# KiCad board data-center-rdimm-ddr4-tester.kicad_pcb (continued)
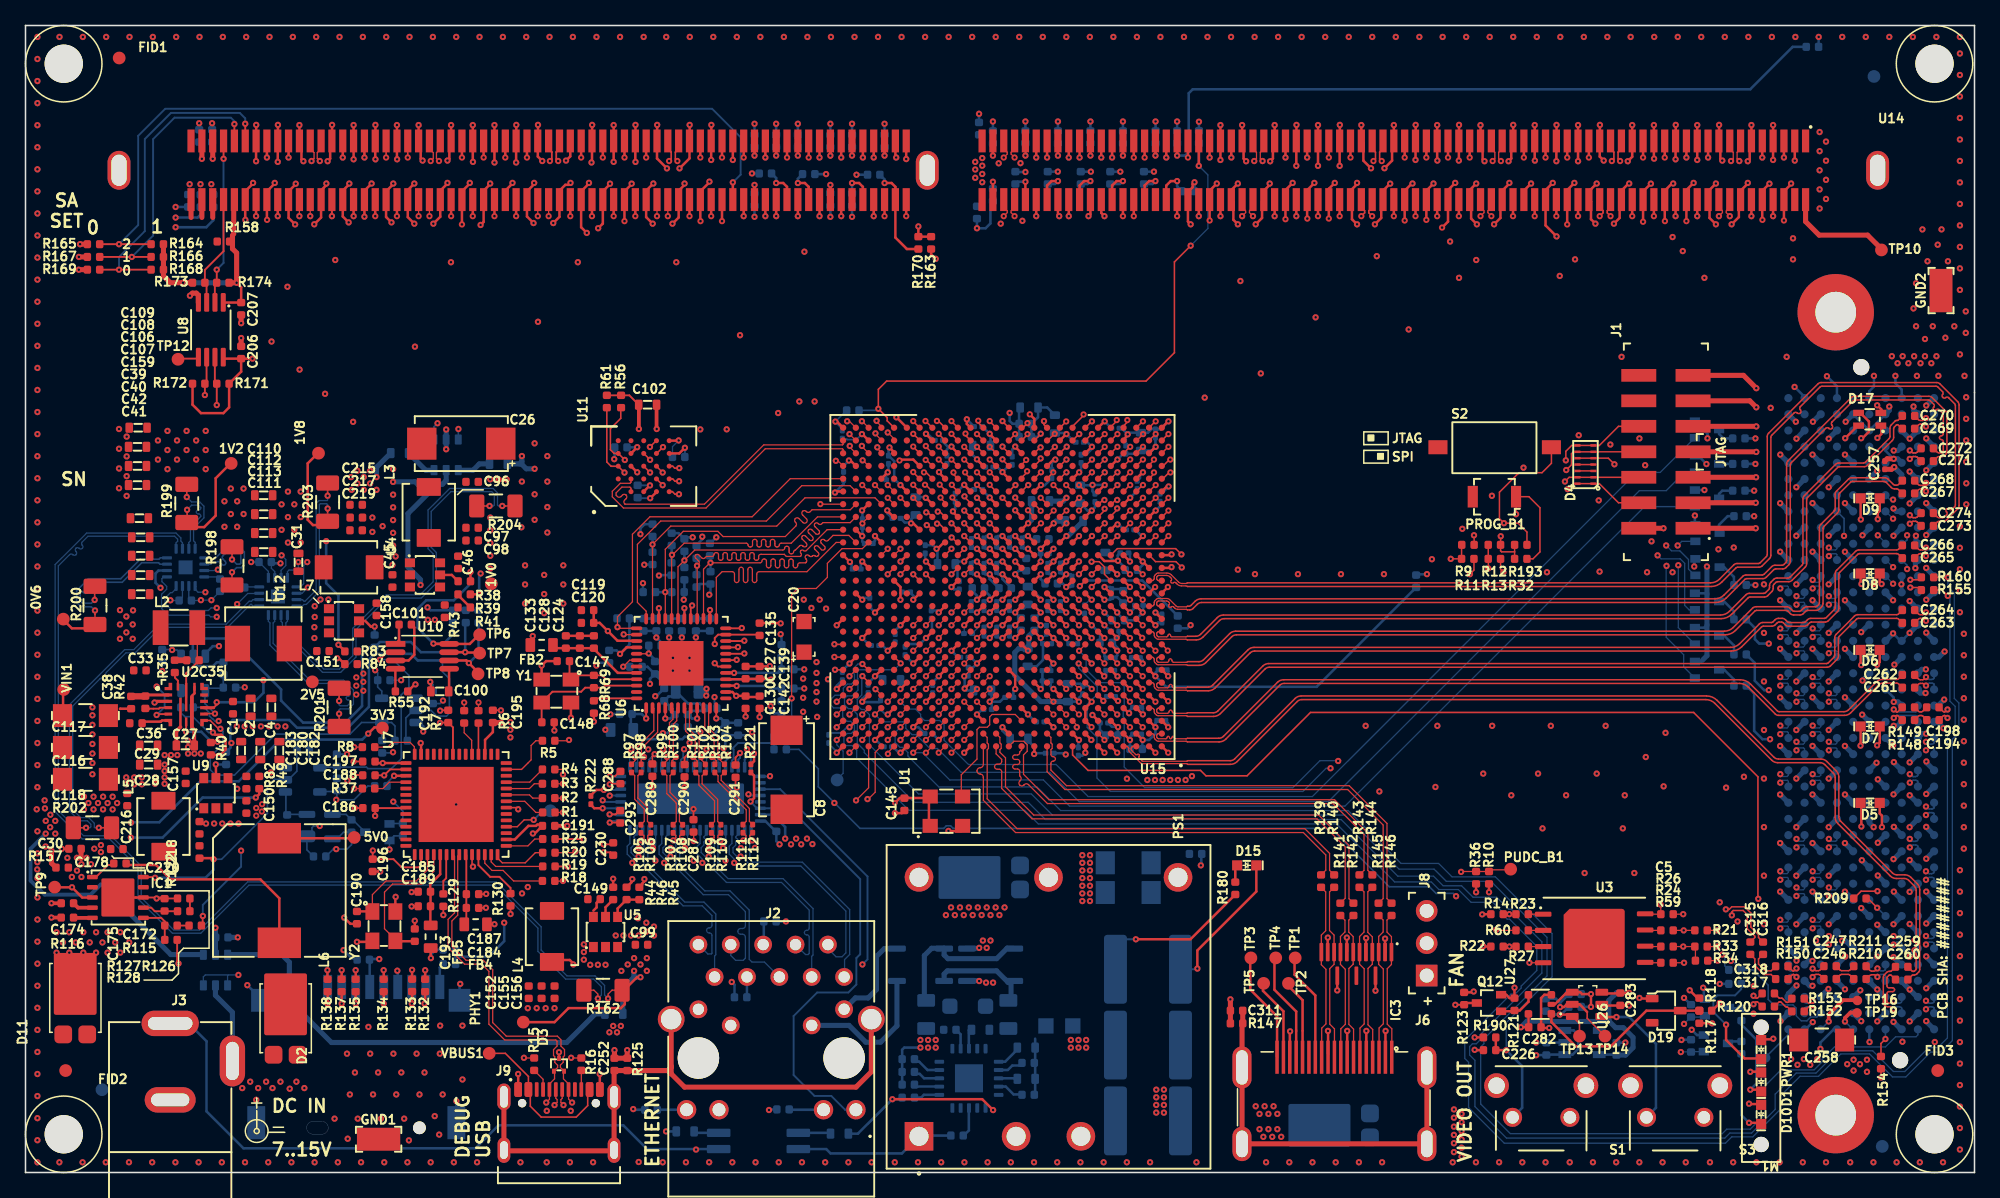
[diagram p0: board, top side]
## Nets (continued)
VIN_POE: C227.1 C228.1 C229.1 D16.A PS1.4 R118.1
VIN_RAW: D11.A IC2.1 J3.1 R117.1
12P0V: C257.1 C258.1 D18.A J5.C35 J5.C37
/Ethernet/AMPS_CTL: R156.2 U13.8
/Ethernet/CLSA: R85.2 U13.3
/Ethernet/CLSB: R176.2 U13.6
/Ethernet/DEN: R175.1 U13.2
/Ethernet/ETH1_BP_N: R98.1 R106.2
/Ethernet/ETH1_BP_P: R97.2 R105.1
/Ethernet/ETH1_N: R98.2 U6.3 U16.3
/Ethernet/ETH1_P: R97.1 U6.2 U16.2
/Ethernet/ETH2_BP_N: R100.1 R108.2
/Ethernet/ETH2_BP_P: R99.2 R107.1
/Ethernet/ETH2_N: R100.2 U6.6 U16.8
/Ethernet/ETH2_P: R99.1 U6.5 U16.7
/Ethernet/ETH3_BP_N: R102.1 R110.2
/Ethernet/ETH3_BP_P: R101.2 R109.1
/Ethernet/ETH3_N: R102.2 U6.8 U16.12
/Ethernet/ETH3_P: R101.1 U6.7 U16.11
/Ethernet/ETH4_BP_N: R104.1 R112.2
/Ethernet/ETH4_BP_P: R103.2 R111.1
/Ethernet/ETH4_N: R104.2 U6.11 U16.15
/Ethernet/ETH4_P: R103.1 U6.10 U16.14
/Ethernet/INT_ETH1_N: J2.2 R106.1 U16.45
/Ethernet/INT_ETH1_P: J2.1 R105.2 U16.46
/Ethernet/INT_ETH2_N: J2.6 R108.1 U16.40
/Ethernet/INT_ETH2_P: J2.3 R107.2 U16.41
/Ethernet/INT_ETH3_N: J2.8 R110.1 U16.34
/Ethernet/INT_ETH3_P: J2.7 R109.2 U16.35
/Ethernet/INT_ETH4_N: J2.10 R112.1 U16.29
/Ethernet/INT_ETH4_P: J2.9 R111.2 U16.30
/Ethernet/IRSHDL_EN: R179.2 U13.16
/Ethernet/MPS_DUTY: R161.2 U13.9
/Ethernet/PAIR_12: D12.4 J2.11
/Ethernet/PAIR_36: D12.3 J2.12
/Ethernet/PAIR_78: D13.3 J2.13
/Ethernet/PAIR_910: D13.4 J2.14
/Ethernet/PG: R178.1 U13.13
/Ethernet/POE_ACTIVE: IC2.4 PS1.1 R178.2
/Ethernet/REF: R159.2 U13.7
/Ethernet/TPH: R177.1 U13.18
/Ethernet/TPL: R181.1 U13.17
/FMC HPC/GTR_REFCLK0_R_N: J5.D5 R211.1
/FMC HPC/GTR_REFCLK0_R_P: J5.D4 R210.1
/FMC HPC/GTR_REFCLK1_R_N: J5.B21 R149.1
/FMC HPC/GTR_REFCLK1_R_P: J5.B20 R148.1
/FMC HPC/GTR_REFCLK2_R_N: J5.K5 R151.1
/FMC HPC/GTR_REFCLK2_R_P: J5.K4 R150.1
/FMC HPC/GTR_REFCLK3_R_N: J5.J3 R153.1
/FMC HPC/GTR_REFCLK3_R_P: J5.J2 R152.1
/FMC HPC/GTX_TX0_C_N: C260.1 J5.C3
/FMC HPC/GTX_TX0_C_P: C259.1 J5.C2
/FMC HPC/GTX_TX1_C_N: C262.1 J5.A23
/FMC HPC/GTX_TX1_C_P: C261.1 J5.A22
/FMC HPC/GTX_TX2_C_N: C264.1 J5.A27
/FMC HPC/GTX_TX2_C_P: C263.1 J5.A26
/FMC HPC/GTX_TX3_C_N: C266.1 J5.A31
/FMC HPC/GTX_TX3_C_P: C265.1 J5.A30
/FMC HPC/GTX_TX4_C_N: C268.1 J5.A35
/FMC HPC/GTX_TX4_C_P: C267.1 J5.A34
/FMC HPC/GTX_TX5_C_N: C270.1 J5.A39
/FMC HPC/GTX_TX5_C_P: C269.1 J5.A38
/FMC HPC/GTX_TX6_C_N: C272.2 J5.B37
/FMC HPC/GTX_TX6_C_P: C271.1 J5.B36
/FMC HPC/GTX_TX7_C_N: C274.1 J5.B33
/FMC HPC/GTX_TX7_C_P: C273.1 J5.B32
/FPGA banks 115-116/GTR_REFCLK0_N: C247.2 U15.H5
/FPGA banks 115-116/GTR_REFCLK0_P: C246.2 U15.H6
/FPGA banks 115-116/GTR_REFCLK1_N: C198.2 U15.K5
/FPGA banks 115-116/GTR_REFCLK1_P: C194.2 U15.K6
/FPGA banks 115-116/GTR_REFCLK2_N: C316.1 U15.D5
/FPGA banks 115-116/GTR_REFCLK2_P: C315.1 U15.D6
/FPGA banks 115-116/GTR_REFCLK3_N: C318.1 U15.F5
/FPGA banks 115-116/GTR_REFCLK3_P: C317.1 U15.F6
/Supply/FPGA_PWR_DIS: R212.2 U18.2 U21.1
/Supply/OUT: R218.2 R220.2 U26.4 U27.2
/Supply/PWR_SEQ_EN: R191.2 R213.1 U10.2 U21.4
/Supply/SLP_S4: R197.2 R216.1 U2.11 U23.4
/Supply/SYS_EN: IC1.3 Q12.3 R123.1 TP9.1
/Supply/SYS_PWR_GOOD: IC1.10 R122.2 R191.1 U21.2
/Supply/VPP_SEN_+: NT1.1 U19.13
/Supply/VPP_SEN_-: NT5.1 U19.14
/Supply/VTT_CNTL: R196.2 R217.1 U2.10 U22.4
/Supply/VTT_SEN_+: NT3.1 U19.8
/Supply/VTT_SEN_-: NT6.1 U19.7
/Supply/VTTREF: C36.1 U2.6
/Supply/~{CLR}: R219.2 R220.1 TP13.1 U26.6
/Supply/~{INT}: R218.1 R219.1 TP14.1 U26.5
A0: U14.79 U15.AF10
A1: U14.72 U15.AC11
A2: U14.216 U15.AD11
A3: U14.71 U15.AD10
A4: U14.214 U15.AC9
A5: U14.213 U15.AD9
A6: U14.69 U15.AB9
A7: U14.211 U15.AF7
A8: U14.68 U15.AE8
A9: U14.66 U15.AE7
A10\AP: U14.225 U15.Y12
A11: U14.210 U15.AB7
A12\~{BC}: U14.65 U15.AC7
A13: U14.232 U15.AD13
A17: U14.234 U15.AC13
AUX_JTAG_RST: J5.D34 R5.2 U15.G25
AUX_JTAG_TCK: J5.D29 R1.2 U15.C24
AUX_JTAG_TDI: J5.D30 R2.2 U15.D24
AUX_JTAG_TDO: J5.D31 R3.2 U15.C26
AUX_JTAG_TMS: J5.D33 R4.2 U15.D25
BA0: U14.81 U15.AB11
BA1: U14.224 U15.AB10
BG0: U14.63 U15.AA9
BG1: U14.207 U15.AF9
C_TMDS_CLK_N: IC3.12 J6.12 R139.2
C_TMDS_CLK_P: IC3.10 J6.10 R140.2
C_TMDS_D0_N: IC3.9 J6.9 R141.2
C_TMDS_D0_P: IC3.7 J6.7 R142.2
C_TMDS_D1_N: IC3.6 J6.6 R143.2
C_TMDS_D1_P: IC3.4 J6.4 R144.2
C_TMDS_D2_N: IC3.3 J6.3 R145.2
C_TMDS_D2_P: IC3.1 J6.1 R146.2
CB0: U14.49 U15.T18
CB1: U14.194 U15.U17
CB2: U14.56 U15.R22
CB3: U14.201 U15.T23
CB4: U14.47 U15.T17
CB5: U14.192 U15.U16
CB6: U14.54 U15.R21
CB7: U14.199 U15.T22
CCLK: R24.2 R33.2 R34.1 U15.C8
CFGBVS: R58.2 U15.P7
CK0_N: U14.75 U15.AF12
CK0_P: U14.74 U15.AE12
CK1_N: U14.219 U15.AC12
CK1_P: U14.218 U15.AB12
CKE0: U14.60 U15.AA8
CKE1\NC: U14.203 U15.AA7
CLK_DIR: J5.B1 U15.F24
DBG_USB_N: D3.1 J9.A7 J9.B7 U7.7
DBG_USB_P: D3.2 J9.A6 J9.B6 U7.8
DDR_PRESENCE: R185.2 R186.1 U14.57 U15.AF22
DONE: Q7.1 R57.2 U15.J7
DQ0: U14.5 U15.U5
DQ1: U14.150 U15.V6
DQ2: U14.12 U15.AB6
DQ3: U14.157 U15.AC6
DQ4: U14.3 U15.U7
DQ5: U14.148 U15.U6
DQ6: U14.10 U15.AA5
DQ7: U14.155 U15.AB5
DQ8: U14.16 U15.U2
DQ9: U14.161 U15.Y3
DQ10: U14.23 U15.AC3
DQ11: U14.168 U15.AC4
DQ12: U14.14 U15.W4
DQ13: U14.159 U15.V4
DQ14: U14.21 U15.AA4
DQ15: U14.166 U15.AB4
DQ16: U14.27 U15.V1
DQ17: U14.172 U15.Y2
DQ18: U14.34 U15.AC2
DQ19: U14.179 U15.AE1
DQ20: U14.25 U15.U1
DQ21: U14.170 U15.V2
DQ22: U14.32 U15.AB2
DQ23: U14.177 U15.AD1
DQ24: U14.38 U15.AE3
DQ25: U14.183 U15.AF3
DQ26: U14.45 U15.AD5
DQ27: U14.190 U15.AD6
DQ28: U14.36 U15.AE2
DQ29: U14.181 U15.AF2
DQ30: U14.43 U15.AE5
DQ31: U14.188 U15.AE6
DQ32: U14.97 U15.AF15
DQ33: U14.242 U15.AE16
DQ34: U14.104 U15.AF19
DQ35: U14.249 U15.AF20
DQ36: U14.95 U15.AF14
DQ37: U14.240 U15.AD14
DQ38: U14.102 U15.AF18
DQ39: U14.247 U15.AE18
DQ40: U14.108 U15.AB14
DQ41: U14.253 U15.AD19
DQ42: U14.115 U15.AC16
DQ43: U14.260 U15.AB15
DQ44: U14.106 U15.AC14
DQ45: U14.251 U15.AD16
DQ46: U14.113 U15.AC19
DQ47: U14.258 U15.AC17
DQ48: U14.119 U15.AA15
DQ49: U14.264 U15.AB17
DQ50: U14.126 U15.AA19
DQ51: U14.271 U15.AA20
DQ52: U14.117 U15.AA14
DQ53: U14.262 U15.AB16
DQ54: U14.124 U15.AB19
DQ55: U14.269 U15.AB20
DQ56: U14.130 U15.V14
DQ57: U14.275 U15.Y16
DQ58: U14.137 U15.W19
DQ59: U14.282 U15.V19
DQ60: U14.128 U15.W14
DQ61: U14.273 U15.Y15
DQ62: U14.135 U15.W18
DQ63: U14.280 U15.V18
DQS0_N: U14.152 U15.Y5
DQS0_P: U14.153 U15.Y6
DQS1_N: U14.163 U15.AA2
DQS1_P: U14.164 U15.AA3
DQS2_N: U14.174 U15.AC1
DQS2_P: U14.175 U15.AB1
DQS3_N: U14.185 U15.AF4
DQS3_P: U14.186 U15.AF5
DQS4_N: U14.244 U15.AF17
DQS4_P: U14.245 U15.AE17
DQS5_N: U14.255 U15.AD18
DQS5_P: U14.256 U15.AC18
DQS6_N: U14.266 U15.Y18
DQS6_P: U14.267 U15.Y17
DQS7_N: U14.277 U15.V17
DQS7_P: U14.278 U15.V16
DQS8_N: U14.196 U15.P20
DQS8_P: U14.197 U15.P19
DQS9_N: U14.8 U15.W5
DQS9_P: U14.7 U15.W6
DQS10_N: U14.19 U15.W3
DQS10_P: U14.18 U15.V3
DQS11_N: U14.30 U15.Y1
DQS11_P: U14.29 U15.W1
DQS12_N: U14.41 U15.AD3
DQS12_P: U14.40 U15.AD4
DQS13_N: U14.100 U15.AE15
DQS13_P: U14.99 U15.AD15
DQS14_N: U14.111 U15.AE20
DQS14_P: U14.110 U15.AD20
DQS15_N: U14.122 U15.AA18
DQS15_P: U14.121 U15.AA17
DQS16_N: U14.133 U15.W16
DQS16_P: U14.132 U15.W15
DQS17_N: U14.52 U15.R17
DQS17_P: U14.51 U15.R16
EMCCLK: EMCCLK1.1 U15.B26
ETH_INT_N: U6.38 U15.Y20
ETH_MDC: U6.36 U15.AA25
ETH_MDIO: R78.1 U6.37 U15.AB26
ETH_REF_CLK: R76.1 R94.1 U6.41 U15.AA23
ETH_RSTN: R79.1 U6.42 U15.AA22
ETH_RX_CLK: R75.1 R93.1 U6.35 U15.Y23
ETH_RX_DV: R74.1 R92.1 U6.33 U15.Y25
ETH_RXD0: R70.1 R77.1 U6.32 U15.W26
ETH_RXD1: R71.1 R89.1 U6.31 U15.W25
ETH_RXD2: R72.1 R90.1 U6.28 U15.V26
ETH_RXD3: R73.1 R91.1 U6.27 U15.U25
ETH_SEL: R206.1 U15.U24
ETH_TX_CLK: U6.24 U15.AA24
ETH_TX_EN: U6.25 U15.U26
ETH_TXD0: U6.19 U15.W24
ETH_TXD1: U6.20 U15.Y26
ETH_TXD2: U6.21 U15.Y22
ETH_TXD3: U6.22 U15.Y21
EXT_ETH1_N: J5.H8 U16.47
EXT_ETH1_P: J5.H7 U16.48
EXT_ETH2_N: J5.G10 U16.42
EXT_ETH2_P: J5.G9 U16.43
EXT_ETH3_N: J5.H11 U16.36
EXT_ETH3_P: J5.H10 U16.37
EXT_ETH4_N: J5.G13 U16.31
EXT_ETH4_P: J5.G12 U16.32
EXT_LED_LINK: J5.G6 U16.23
EXT_LED_SPD: J5.G7 U16.52
FCS_B: R14.2 R23.2 U15.C23
FMC_IO_0: J5.G33 U15.K15
FMC_IO_1_N: J5.G22 U15.B16
FMC_IO_1_P: J5.G21 U15.C16
FMC_IO_2_N: J5.G19 U15.A19
FMC_IO_2_P: J5.G18 U15.A18
FMC_IO_3_N: J5.H20 U15.A17
FMC_IO_3_P: J5.H19 U15.B17
FMC_IO_4_N: J5.H17 U15.B19
FMC_IO_4_P: J5.H16 U15.C19
FMC_IO_5_N: J5.J19 U15.C18
FMC_IO_5_P: J5.J18 U15.C17
FMC_IO_6_N: J5.G25 U15.D16
FMC_IO_6_P: J5.G24 U15.D15
FMC_IO_7_N: J5.H29 U15.G16
FMC_IO_7_P: J5.H28 U15.H16
FMC_IO_8_N: J5.G28 U15.F15
FMC_IO_8_P: J5.G27 U15.G15
FMC_IO_9_N: J5.G31 U15.J16
FMC_IO_9_P: J5.G30 U15.J15
FMC_IO_10_N: J5.H26 U15.E16
FMC_IO_10_P: J5.H25 U15.E15
FMC_IO_11_N: J5.K23 U15.F18
FMC_IO_11_P: J5.K22 U15.G17
FMC_IO_12_N: J5.J22 U15.E17
FMC_IO_12_P: J5.J21 U15.F17
FMC_IO_13_N: J5.K20 U15.D18
FMC_IO_13_P: J5.K19 U15.E18
FMC_IO_14_N: J5.J25 U15.H18
FMC_IO_14_P: J5.J24 U15.H17
FMC_IO_15_N: U15.D20
FMC_IO_15_P: U15.D19
FMC_IO_16_N: J5.K8 U15.F20
FMC_IO_16_P: J5.K7 U15.G19
FMC_IO_17_N: J5.K17 U15.E20
FMC_IO_17_P: J5.K16 U15.F19
FMC_IO_18_N: J5.J10 U15.G20
FMC_IO_18_P: J5.J9 U15.H19
FMC_IO_19_N: J5.H23 U15.J20
FMC_IO_19_P: J5.H22 U15.K20
FMC_IO_20_N: J5.K26 U15.J19
FMC_IO_20_P: J5.K25 U15.J18
FMC_IO_21_N: J5.K11 U15.L20
FMC_IO_21_P: J5.K10 U15.L19
FMC_IO_22_N: U15.K17
FMC_IO_22_P: U15.K16
FMC_IO_23_N: J5.J13 U15.L18
FMC_IO_23_P: J5.J12 U15.M17
FMC_IO_24_N: J5.J28 U15.K18
FMC_IO_24_P: J5.J27 U15.L17
FMC_IO_25: J5.K28 U15.M16
FMC_SCL_3V3: J5.C30 R155.2 U15.H22
FMC_SDA_3V3: J5.C31 R160.2 U15.G24
FPGA_POWER_CYCLE: Q11.1 R124.2 U15.G26
FPGA_SLP_S4: R214.2 U15.J26 U23.1
FPGA_VTT_CNTL: R215.2 U15.H26 U22.1
GCLK100: U1.3 U15.C12
GTR_REFCLK0_C_N: C247.1 R211.2
GTR_REFCLK0_C_P: C246.1 R210.2
GTR_REFCLK1_C_N: C198.1 R149.2
GTR_REFCLK1_C_P: C194.1 R148.2
GTR_REFCLK2_C_N: C316.2 R151.2
GTR_REFCLK2_C_P: C315.2 R150.2
GTR_REFCLK3_C_N: C318.2 R153.2
GTR_REFCLK3_C_P: C317.2 R152.2
GTX_RX0_N: J5.C7 U15.B5
GTX_RX0_P: J5.C6 U15.B6
GTX_RX1_N: J5.A3 U15.C3
GTX_RX1_P: J5.A2 U15.C4
GTX_RX2_N: J5.A7 U15.E3
GTX_RX2_P: J5.A6 U15.E4
GTX_RX3_N: J5.A11 U15.G3
GTX_RX3_P: J5.A10 U15.G4
GTX_RX4_N: J5.A15 U15.J3
GTX_RX4_P: J5.A14 U15.J4
GTX_RX5_N: J5.A19 U15.L3
GTX_RX5_P: J5.A18 U15.L4
GTX_RX6_N: J5.B17 U15.N3
GTX_RX6_P: J5.B16 U15.N4
GTX_RX7_N: J5.B13 U15.R3
GTX_RX7_P: J5.B12 U15.R4
GTX_TX0_N: C260.2 U15.A3
GTX_TX0_P: C259.2 U15.A4
GTX_TX1_N: C262.2 U15.B1
GTX_TX1_P: C261.2 U15.B2
GTX_TX2_N: C264.2 U15.D1
GTX_TX2_P: C263.2 U15.D2
GTX_TX3_N: C266.2 U15.F1
GTX_TX3_P: C265.2 U15.F2
GTX_TX4_N: C268.2 U15.H1
GTX_TX4_P: C267.2 U15.H2
GTX_TX5_N: C270.2 U15.K1
GTX_TX5_P: C269.2 U15.K2
GTX_TX6_N: C272.1 U15.M1
GTX_TX6_P: C271.2 U15.M2
GTX_TX7_N: C274.2 U15.P1
GTX_TX7_P: C273.2 U15.P2
HOT_SWAP_BUTTON: C226.1 R190.2 S1.1 U15.C21
HOT_SWAP_GREEN: Q9.1 U15.D23
HOT_SWAP_RED: Q10.1 U15.E21
HOT_SWAP_YELLOW: Q1.1 U15.A20
HR_CKN: U11.B1 U15.AE26
HR_CKP: U11.B2 U15.AD26
HR_CS: R61.2 U11.A3 U15.AC26
HR_DQ0: U11.D3 U15.AE23
HR_DQ1: U11.D2 U15.AD25
HR_DQ2: U11.C4 U15.AF24
HR_DQ3: U11.D4 U15.AE22
HR_DQ4: U11.D5 U15.AF23
HR_DQ5: U11.E3 U15.AF25
HR_DQ6: U11.E2 U15.AE25
HR_DQ7: U11.E1 U15.AD24
HR_RST: R56.2 U11.A4 U15.AC24
HR_RW: U11.C3 U15.AD23
INIT_B: Q8.1 R28.2 U15.G7
INT_LED_LINK: J2.18 R221.2 U16.26
INT_LED_SPD: J2.16 R222.2 U16.51
LED_LINK: R81.1 R96.1 R221.1 U6.17 U16.20
LED_SPD: R80.1 R95.1 R222.1 U6.15 U16.54
MODE0: R9.1 R11.1 U15.T5
MODE1: R12.1 R13.1 U15.T2
MODE2: R193.1 S2.1 U15.P5
NC: R157.2 TP10.1 U14.1 U14.145
NC\C2: U14.235 U15.W10
ODT0: U14.87 U15.Y13
ODT1\NC: U14.91 U15.W9
PARITY: U14.222 U15.AE13
PROGRAM_B: PROG_B1.1 R32.2 U15.P6
PRSNT_M2C: J5.H2 R205.1 R208.1 U15.E23
PUDC_B: PUDC_B1.1 R10.2 R36.1 U15.B25
QSPI_DQ0: R59.2 U15.B24
QSPI_DQ1: R60.2 U15.A25
QSPI_DQ2: R22.2 R27.2 U15.B22
QSPI_DQ3: R21.2 R26.2 U15.A22
SA0: R168.2 R169.1 U14.139
SA1: R166.2 R167.1 U14.140
SA2: R164.2 R165.1 U14.238
SCL_2V5: R174.2 U8.2 U14.141
SCL_3V3: R171.2 U8.7 U15.E25 U19.4 U20.4
SD_CD: R131.2 R136.1 U15.F9
SD_CLK: J7.5 R134.2 U15.D10
SD_CMD: J7.3 R135.2 U15.D8
SD_DAT0: J7.7 R133.2 U15.E10
SD_DAT1: J7.8 R132.2 U15.F8
SD_DAT2: J7.1 R138.2 U15.C9
SD_DAT3: J7.2 R137.2 U15.D9
SDA_2V5: R173.2 U8.3 U14.285
SDA_3V3: R172.2 U8.6 U15.D26 U19.5 U20.5
TCK_JTAG: D4.2 D4.13 J1.6 R18.2 U15.L8
TDI_JTAG: D4.7 D4.8 J1.10 R19.2 U15.R6
TDO_JTAG: D4.6 D4.9 J1.8 R20.2 U15.R7
TMDS_CLK_N: R139.1 U15.A15
TMDS_CLK_P: R140.1 U15.B15
TMDS_D0_N: R141.1 U15.A14
TMDS_D0_P: R142.1 U15.B14
TMDS_D1_N: R143.1 U15.A12
TMDS_D1_P: R144.1 U15.A13
TMDS_D2_N: R145.1 U15.A10
TMDS_D2_P: R146.1 U15.B10
TMS_JTAG: D4.1 D4.14 J1.4 R25.2 U15.N8
UART0_RX: R6.2 U15.F25
UART0_TX: R7.2 U15.E26
UART1_RX: R8.2 U15.A24
UART1_TX: R37.2 U15.A23
USR_LED1: Q2.1 U15.D21
USR_LED2: Q4.1 U15.B20
USR_LED3: Q3.1 U15.B21
USR_LED4: Q5.1 U15.C22
USR_LED5: Q6.1 U15.E22
VPP: C110.1 C111.1 C112.1 C113.1 C199.1 C200.1 C201.1 C202.1 C203.1 NT5.2 R158.1 R198.2 U14.142 U14.143 U14.286 U14.287 U14.288
VREF_33: C18.1 C146.1 R65.2 R66.1 U15.AE11
VREFCA: U14.146
VRN: R63.1 U15.U9
VRP: R64.1 U15.V12
VTT: C204.1 C205.1 NT6.2 R200.2 U14.77 U14.221
~{ACT}: U14.62 U15.Y8
~{ALERT}: U14.208 U15.AE10
~{CAS}\A15: U14.86 U15.AF13
~{CS0}: U14.84 U15.V9
~{CS1}\NC: U14.89 U15.Y11
~{CS2}\C0: U14.93 U15.V11
~{CS3}\C1,NC: U14.237 U15.W11
~{EVENT}: R163.2 R170.2 U14.78
~{PERST}: J5.D8 R209.1 U15.A8
~{RAS}\A16: U14.82 U15.AA12
~{RESET}: U14.58 U15.AF8
~{SAVE}: U14.230 U15.Y10
~{WE}\A14: U14.228 U15.AA13
Net-(C35-Pad1): C35.1 R35.2
Net-(C172-Pad1): C172.1 R115.2
Net-(D1-Pad2): D1.2 R30.1
Net-(D5-Pad2): D5.2 R50.1
Net-(D6-Pad2): D6.2 R51.1
Net-(D7-Pad2): D7.2 R52.1
Net-(D8-Pad2): D8.2 R53.1
Net-(D9-Pad2): D9.2 R54.1
Net-(D10-Pad2): D10.2 R31.1
Net-(D15-Pad1): D15.1 R180.1
Net-(D17-C_{G}): D17.3 R188.1
Net-(D17-C_{R}): D17.2 R189.1
Net-(D17-C_{Y}): D17.4 R187.1
Net-(IC1-BOOT): C178.1 IC1.1
Net-(IC1-COMP): C175.1 IC1.7 R115.1
Net-(IC1-FB): IC1.6 R127.2 R128.1
Net-(IC1-RT/CLK): IC1.5 R116.2
Net-(IC1-SS/TR): C174.2 IC1.4
Net-(IC1-SW): C178.2 D2.C IC1.9 L6.1
Net-(IC2-Pad2): IC2.2 R184.1
Net-(IC2-Pad3): IC2.3 R183.2
Net-(J2-LED_GRN+): J2.15 R67.1
Net-(J2-LED_YEL+): J2.17 R62.1
Net-(J2-P4): C221.1 J2.4
Net-(J2-P5): C312.1 J2.5
Net-(J5A-VREF_{B_M2C}): J5.K1 TP15.1
Net-(J5B-VREF_{A_M2C}): J5.H1 TP16.1
Net-(J5C-PG_{M2C}): J5.F1 TP19.1
Net-(J5D-PG_{C2M}): J5.D1 R154.1
Net-(J6-+5V): J6.18 TP5.1
Net-(J6-CEC): J6.13 TP1.1
Net-(J6-HPD/HEAC-): J6.19 TP3.1
Net-(J6-SCL): J6.15 TP2.1
Net-(J6-SDA): J6.16 TP4.1
Net-(J7-CD_SW1): J7.9 R136.2
Net-(J9-CC1): J9.A5 R15.2
Net-(J9-CC2): J9.B5 R16.1
Net-(PWR1-Pad2): PWR1.2 R119.1
Net-(Q1-D): Q1.3 R187.2
Net-(Q2-D): Q2.3 R50.2
Net-(Q3-D): Q3.3 R51.2
Net-(Q4-D): Q4.3 R52.2
Net-(Q5-D): Q5.3 R53.2
Net-(Q6-D): Q6.3 R54.2
Net-(Q7-D): Q7.3 R30.2
Net-(Q8-D): Q8.3 R31.2
Net-(Q9-D): Q9.3 R188.2
Net-(Q10-D): Q10.3 R189.2
Net-(Q11-D): Q11.3 R192.2 U18.3
Net-(Q12-G): Q12.1 R121.1 U27.4
Net-(R17-Pad1): R17.1 U17.6
Net-(R29-Pad1): R29.1 U17.4
Net-(R39-Pad2): R39.2 R41.1
Net-(R113-Pad1): R113.1 U24.6
Net-(R114-Pad1): R114.1 U24.4
Net-(R126-Pad2): R126.2 R127.1
Net-(U2-BST): R35.1 U2.18
Net-(U2-PGOOD): R40.1 U2.8
Net-(U2-SW): C35.2 L2.1 U2.17
Net-(U2-SW_VPP): L1.1 U2.15
Net-(U2-VTTSNS): R42.1 U2.4
Net-(U3-SCK): R24.1 U3.6
Net-(U3-SI/IO0): R59.1 U3.5
Net-(U3-SO/IO1): R60.1 U3.2
Net-(U3-~{CS}): R23.1 U3.1
Net-(U3-~{HOLD}/IO3): R26.1 U3.7
Net-(U3-~{WP}/IO2): R27.1 U3.3
Net-(U4-BST): C46.1 U4.6
Net-(U4-EN): R38.2 U4.5
Net-(U4-FB): R41.2 R43.1 U4.4
Net-(U4-SW): C46.2 L3.1 U4.2
Net-(U5-BST): C149.1 U5.6
Net-(U5-EN): R44.2 U5.5
Net-(U5-FB): R45.2 R46.1 U5.4
Net-(U5-SW): C149.2 L4.1 U5.2
Net-(U6-ISET): R68.2 U6.48
Net-(U6-XI): C148.1 R69.2 U6.46 Y1.3
Net-(U6-XO): C147.1 R69.1 U6.45 Y1.1
Net-(U7-ADBUS0): R18.1 U7.12
Net-(U7-ADBUS1): R19.1 U7.13
Net-(U7-ADBUS2): R20.1 U7.14
Net-(U7-ADBUS3): R25.1 U7.15
Net-(U7-ADBUS5): TP11.1 U7.18
Net-(U7-BDBUS0): R1.1 U7.22
Net-(U7-BDBUS1): R2.1 U7.23
Net-(U7-BDBUS2): R3.1 U7.24
Net-(U7-BDBUS3): R4.1 U7.25
Net-(U7-BDBUS5): R5.1 U7.27
Net-(U7-CDBUS0): R6.1 U7.32
Net-(U7-CDBUS1): R7.1 U7.33
Net-(U7-DDBUS0): R8.1 U7.42
Net-(U7-DDBUS1): R37.1 U7.46
Net-(U7-OSCI): C190.1 U7.3 Y2.1
Net-(U7-OSCO): C193.1 U7.4 Y2.3
Net-(U7-REF): R129.2 U7.6
Net-(U7-V_{PHY}): C185.1 C189.1 FB5.2 U7.5
Net-(U7-V_{PLL}): C184.1 C187.1 FB4.2 U7.9
Net-(U7-~{RESET}): R130.2 U7.11
Net-(U8-EN): TP12.1 U8.5
Net-(U9-BST): C157.1 U9.6
Net-(U9-EN): R47.2 U9.5
Net-(U9-FB): R49.2 R82.1 U9.4
Net-(U9-SW): C157.2 L5.1 U9.2
Net-(U10-INV): R55.1 U10.4
Net-(U10-TADJ): C100.1 U10.5
Net-(U12-BST): C158.1 U12.6
Net-(U12-EN): R48.2 U12.5
Net-(U12-FB): R83.2 R84.1 U12.4
Net-(U12-SW): C158.2 L7.1 U12.2
Net-(U13-~{BT}): R182.1 U13.19
Net-(U15G-IO_L4N_T0_33): R163.1 U15.Y7
Net-(U15J-MGTRREF_115): R207.1 U15.M6
Net-(U16-SEL): R205.2 R206.2 U16.17
Net-(U19-~{PWRDN}): R194.2 U19.16
Net-(U20-~{PWRDN}): R195.2 U20.16
Net-(U26-~{PB_IN}): S3.1 U26.1
Net-(U27-~{OE}): D19.3 R117.2 R118.2 R120.2 U27.1

Pads without a net: D4 3 4 11 12; D19 2; IC3 14; J1 12 14; J5 B4 B5 B8 B9 B24 B25 B28 B29 B40 C10 C11 C14 C15 C18 C19 C22 C23 C26 C27 C34 D9 D11 D12 D14 D15 D17 D18 D20 D21 D23 D24 D26 D27 D32 D35 E2 E3 E6 E7 E9 E10 E12 E13 E15 E16 E18 E19 E21 E22 E24 E25 E27 E28 E30 E31 E33 E34 E36 E37 E39 F4 F5 F7 F8 F10 F11 F13 F14 F16 F17 F19 F20 F22 F23 F25 F26 F28 F29 F31 F32 F34 F35 F37 F38 F40 G2 G3 G15 G16 G34 G36 G37 G39 H4 H5 H13 H14 H31 H32 H34 H35 H37 H38 H40 J6 J7 J15 J16 J30 J31 J33 J34 J36 J37 J39 K13 K14 K29 K31 K32 K34 K35 K37 K38 K40; J6 14; J8 2; J9 A8 B8; PS1 5; U3 9; U6 13 43 47; U7 1 17 19 20 26 28 29 30 34 35 37 38 39 40 47 48 49 51 52 53 54 55 56; U11 A2 A5 B5 C2 C5; U13 10 14 15 20; U14 144 205 227 MP1 MP2 MP3; U15 A9 AA10 AB21 AB22 AB24 AB25 AC8 AC21 AC22 AC23 AD8 AD21 AE21 B9 B11 B12 C11 C13 C14 D11 D13 D14 E11 E12 E13 F10 F12 F13 F14 F22 F23 G9 G10 G11 G12 G14 G21 G22 H8 H9 H11 H12 H13 H14 H21 H23 H24 J8 J10 J11 J13 J14 J21 J23 J24 J25 K21 K22 K23 K25 K26 L22 L23 L24 L25 M19 M20 M21 M22 M24 M25 M26 N16 N17 N18 N19 N21 N22 N23 N24 N26 P16 P18 P21 P23 P24 P25 P26 R18 R20 R23 R25 R26 T7 T19 T20 T24 T25 U4 U19 U20 U21 U22 V7 V8 V13 V21 V22 V23 V24 W8 W13 W20 W21 W23; U16 5 22 25; U19 17; U20 17; U25 4

## Via types
v1: diameter 0.5, hole 0.2, Top to Bottom, 2193 vias
v2: diameter 0.5, hole 0.2, Top to In2.Cu, 150 vias
v3: diameter 0.5, hole 0.2, Top to In5.Cu, 139 vias
v4: diameter 0.45, hole 0.15, Top to Bottom, 1 via

## Routing (per net, layer and track width the routed paths; a pad name or vN(x,y) marks a point on that pad's centre or on a via; arc(x,y) is an arc through that point)
1V0_SYS: length 39.3
  Top w0.1: v1(84.55,37) 84.55,37.03 ; v1(84.62,38.94) 84.56,39 84.56,39.02
  Top w0.127: 37.98,52.3 38.7,52.3
  Top w0.2: U15.K10 v1(80.64,41.94) U15.J9 ; U15.U15 v1(74.64,49.94) ; U15.L6 v1(84.64,42.94) ; U15.R13 v1(76.64,47.94) ; U15.K8 v1(82.64,41.94) ; U15.R15 v1(74.64,47.94) ; U15.N15 v1(74.64,44.94) ; U15.P14 v1(75.64,46.94) ; U15.L15 74.64,42.94 v1(74.64,42.93) ; 84.56,39.02 U15.G6 ; U15.T14 v1(75.64,48.94) ; U15.M8 v1(82.64,43.94) ; 84.55,37.03 U15.E6 ; U15.N9 v1(81.64,44.94) ; U15.U13 v1(76.64,49.94) ; U15.K12 v1(77.64,41.94) ; U15.J6 v1(84.64,40.94) ; U15.N13 v1(76.64,44.94) ; U15.L9 v1(81.64,42.94) ; 84.14,35.46 v1(83.69,35.9) ; U15.T12 v1(77.64,48.94) ; U15.M14 v1(75.64,43.94) ; U15.L13 v1(76.64,42.94) ; U15.K14 v1(75.64,41.94)
  Bottom w0.1: 74.26,42.29 74.64,42.67 v1(74.64,42.93) ; 75.19,44.12 75.37,43.94 v1(75.64,43.94) ; v1(74.64,44.94) 74.37,44.94 74.19,44.76 ; 77.19,42.12 77.37,41.94 v1(77.64,41.94) ; v1(76.64,42.94) 76.37,42.94 76.19,42.76 ; 81.19,44.76 81.37,44.94 v1(81.64,44.94) ; 75.19,42.12 75.37,41.94 v1(75.64,41.94) ; 76.19,44.76 76.37,44.94 v1(76.64,44.94) ; v1(82.64,41.94) 82.64,41.62 ; 82.99,43.94 v1(82.64,43.94) 83.13,43.94 ; 80.46,41.49 80.64,41.67 v1(80.64,41.94)
  Bottom w0.2: v1(84.64,42.94) 85.1,42.47 85.16,42.47 ; 75.21,47.12 75.19,47.12 75.19,47.03 75.28,46.94 v1(75.64,46.94) 75.64,46.56 76.35,45.85 76.37,45.85 ; v1(76.64,49.94) 76.29,49.94 76.19,49.84 76.19,49.76 76.21,49.76 ; 84.81,40.38 84.78,40.38 84.64,40.51 v1(84.64,40.94) ; 74.26,45.85 74.26,45.64 74.64,45.26 v1(74.64,44.94) ; v1(84.55,37) 84.55,37.07 84.83,37.35 ; 74.2,49.71 74.34,49.85 74.55,49.85 v1(74.64,49.94) ; v1(76.64,47.94) 76.4,47.94 76.22,47.76 76.19,47.76 ; 74.19,47.76 74.19,47.84 74.29,47.94 v1(74.64,47.94) ; C245.1 84.28,34.73 84.28,35.28 83.69,35.86 v1(83.69,35.9) ; v1(75.64,48.94) 75.34,48.94 75.19,49.09 75.19,49.12 ; 84.77,39.4 84.77,39.08 v1(84.62,38.94) ; C144.1 78.39,48.19 v1(77.64,48.94) 77.31,48.94 77.19,49.06 77.19,49.12
  Bottom w0.4: 38.94,55.79 v1(38.94,56.21) ; 38.94,55.79 38.75,55.6 R29.2 ; 38.94,55.79 38.94,55.56 39.29,55.21 v1(39.94,55.21)
  vias: v1(38.94,54.21) v1(38.9,50.62) v1(39.94,57.21) v1(39.94,53.21) v1(39.94,51.21) v1(40.94,56.21) v1(40.94,54.21) v1(40.94,52.21) v1(40.94,50.21) v1(61,38.75) v1(61,37.25) v1(61,36.15) v1(62.05,40.05) v1(62.05,39.2) v1(62.05,38.4) v1(62.05,37.7) v1(62.05,36.95) v1(62.1,35.75) v1(62.95,38.7)
1V2_SYS: length 75.5
  Top w0.1: v1(87.65,35.95) 87.63,35.95
  Top w0.12: 47.1,14.3 46.38,14.3
  Top w0.15: 57.52,42.2 54.33,42.2 54.07,41.94 v1(54.07,41.47) ; 51.69,43.38 v1(51.69,44.28) ; 54.86,39.7 54.32,39.7 v1(54.07,39.96) ; 39.79,41.39 v1(39.79,42.09) ; v1(53.69,44.13) 53.69,44.12 53.69,43.38
  Top w0.2: 44.57,44.13 44.57,43.13 45.04,43.13 v1(45.68,42.48) 46.44,41.73 47.99,41.73 ; 48.24,15.32 47.97,15.32 47.01,14.36 47.01,13.21 46.7,12.9 42.6,12.9 ; 42.6,12.9 41.5,11.8 39.05,11.8 ; 54.86,37.7 55.45,37.7 v1(55.75,37.4) 56.4,37.4 56.49,37.31 57.59,37.31 ; 87.63,35.95 U15.D3 ; U15.G2 v1(88.64,38.94) ; U15.M5 v1(85.64,43.94) ; U15.L2 v1(88.64,42.94) ; U15.B3 v1(87.64,33.94) ; U15.C2 v1(88.64,34.94) ; U15.M3 v1(87.64,43.94) ; U15.H3 v1(87.64,39.94)
  Bottom w0.1: v1(85.64,43.94) 85.64,43.9
  Bottom w0.2: C126.1 C141.1 53.69,44.12 v1(53.69,44.13) ; v1(51.69,44.28) 51.69,43.66 C138.1 C122.1 ; 85.64,43.9 R207.2 87.02,43.33 v1(87.64,43.94) 87.67,43.97 87.67,44.5 ; 88.88,39.45 88.88,39.45 88.64,39.21 v1(88.64,38.94) 89.47,38.11 101.29,38.11 C314.1 ; 87.52,36.5 87.55,36.5 87.65,36.4 v1(87.65,35.95) ; 87.52,34.36 87.52,34.4 87.53,34.4 87.64,34.29 v1(87.64,33.94) ; 87.61,33.22 87.61,33.91 v1(87.64,33.94) ; v1(87.64,33.94) 88.14,33.94 88.64,34.44 v1(88.64,34.94) 88.64,35.26 88.78,35.41 88.78,35.47 ; 87.42,40.4 87.45,40.4 87.64,40.21 v1(87.64,39.94) ; v1(88.64,42.94) 88.85,43.15 89.14,43.15
  Bottom w0.4: 47.72,15.32 47.72,15.8 v1(47.74,15.82) ; 47.72,15.32 46.85,14.45 R113.2 ; 47.72,15.32 v1(48.24,15.32) ; v1(53.4,37.42) 53.4,37.94 v1(53.42,37.96) 53.42,37.82 53.32,37.72 52.6,37.72
  vias: v1(46.74,15.82) v1(47.24,16.32) v1(47.74,16.82) v1(48.24,16.32) v1(48.74,16.82) v1(48.74,15.82) v1(88,30.8) v1(88.6,30.8) v1(89.2,30.8) v1(89.8,30.8) v1(90.4,30.8) v1(91,30.8) v1(91.5,31.1)
1V8_FT: length 11.3
  Top w0.15: v1(27.25,25.26) 27.24,25.25 27.24,24.59 28.86,24.59 29.5,23.95 30.85,23.95 31.03,24.13 U7.2
  Top w0.2: 27.54,32.12 v1(28.02,32.12) 29.84,32.12 29.84,32.13 ; 36.03,32.82 36.05,32.84 36.05,33.95 36.66,34.56 36.66,35.3
  Top w0.4: v1(37.3,35.3) 36.66,35.3
  vias: v1(38.04,35.34) v1(38.04,34.74) v1(38.04,34.14)
1V8_SYS: length 32.7
  Top w0.127: 23.7,53.68 23.7,54.4
  Top w0.2: U15.T8 v1(81.64,47.94) U15.R9 ; U15.M12 v1(77.64,43.94) ; U15.P8 v1(81.64,45.94) ; U15.L11 v1(79.64,42.94) ; U15.U11 v1(78.64,49.94) ; U15.M10 v1(80.64,43.94) ; U15.P10 v1(80.64,46.94) ; U15.E8 v1(82.64,36.94) ; U15.T10 v1(80.64,48.94) ; U15.N6 v1(84.64,44.94)
  Bottom w0.1: 77.19,44.12 77.37,43.94 v1(77.64,43.94) 77.66,43.94 78.09,43.51 ; 80.19,44.12 80.37,43.94 v1(80.64,43.94) ; C115.1 79.55,42.94 v1(79.64,42.94) 80.04,42.94
  Bottom w0.2: v1(80.64,46.94) 80.34,46.94 80.19,47.09 80.19,47.12 ; 86.1,44.69 85.65,45.14 85.2,45.14 85.2,45.06 85.08,44.94 v1(84.64,44.94) ; 80.27,48.57 v1(80.64,48.94) ; C19.1 81.36,46.21 v1(81.64,45.94) 81.94,45.94 82.09,46.09 82.09,46.12 ; 82.93,37.53 82.64,37.24 v1(82.64,36.94) ; C22.1 78.3,44.25 77.95,44.25 v1(77.64,43.94) ; 81.19,47.78 81.21,47.78 81.38,47.95 81.63,47.95 v1(81.64,47.94) ; C114.1 82.63,36.95 ; 78.19,49.76 78.36,49.94 v1(78.64,49.94) 78.88,49.7 C16.1
  Bottom w0.4: 27.54,55.34 27.54,55.24 27.36,55.06 v1(27.04,55.06) ; 27.54,55.34 v1(27.54,54.56) ; 27.54,55.34 R17.2 ; C114.1 79.65,36.95 77.6,39 77.6,40.8 77.91,41.11 C25.1 78.7,41.2 v1(78.7,41.92) 78.7,42.09 C115.1
  vias: v1(25.54,54.56) v1(25.59,53.56) v1(26.04,55.06) v1(26.04,54.06) v1(26.54,54.56) v1(26.54,53.56) v1(27.04,54.06) v1(27.54,53.56)
3V3_SYS: length 322.4
  Top w0.1: 126.93,20.27 128.28,20.27 128.28,21.01 v1(128.26,21.03) ; C287.1 52.41,26.7 v1(52.41,26.01) ; R33.1 v1(132.7,17.73) ; R21.1 v1(132.7,19) ; 79.14,32.86 v1(79.12,32.84)
  Top w0.12: 116.81,48.7 115.79,48.7 115.71,48.78 R12.2 115.71,49.91 v1(115.72,49.92) ; 116.81,48.7 R193.2 ; 116.81,48.7 R32.1 ; R9.2 113.63,49.99 v1(113.62,50)
  Top w0.127: R154.2 v1(145.55,7.45) ; v1(49.35,32.83) 49.18,32.65 C289.1 ; U15.AC25 64.64,55.94 ; U15.AD22 68.14,56.52 ; R209.2 143.99,22.08 v1(145.28,22.08) ; 148.72,45.7 148.51,45.9 v1(147.85,45.9) ; 4.17,27.05 3.45,27.05 ; v1(147.85,46.51) 148.52,46.51 148.72,46.7
  Top w0.15: 49.69,43.38 v1(49.69,44.28) ; 46.66,28.36 46.53,28.36 46.28,28.1 v1(45.82,28.1) ; 51.7,32.01 51.7,32.56 52.1,32.96 52.1,33.7 v1(52.09,33.72) ; v1(45.83,31.09) 46.24,31.09 46.62,31.47 46.67,31.47 ; v1(27.43,27.98) 27.43,27.99 27.43,28.59 29.81,28.59 U7.50 ; 27.42,31.17 28.13,31.17 ; 55.7,31.97 55.7,32.57 v1(56.05,32.91) ; 36.03,19.47 36.78,19.47 v1(36.79,19.48) ; R130.1 v1(38.05,20.28) ; v1(45.34,25.75) 45.99,25.75 46.1,25.87 ; v1(28.14,31.16) 28.6,31.63 29.84,31.63 ; v1(32.52,35.28) 32.54,35.3 33.16,35.3 33.53,34.93 33.53,32.82 ; C102.1 47.37,60.98 45.81,60.98
  Top w0.2: 54.86,38.7 56.45,38.7 ; 56.49,38.74 58.43,38.74 v1(58.49,38.68) ; v1(105.9,14.27) 105.9,14.27 105.9,15.47 ; 102.9,15.5 102.9,14.29 ; v1(51.72,56.87) 51.28,56.42 U11.E4 ; 49.52,53.42 49.02,52.92 ; 47.48,56.4 47.98,56.9 ; U15.F26 v1(63.64,37.94) ; U15.E9 v1(80.64,37.94) ; U15.G13 77.64,38.94 v1(77.64,37.94) ; U15.Y24 66.11,52.44 v1(65.62,51.95) ; U15.M18 v1(71.64,43.94) ; v1(145.27,57.64) 145.57,57.94 145.57,58.5 ; 114.95,20.27 114.29,20.27 v1(114.27,20.25) ; v4(68.2,29) 68.59,29.39 70.85,29.39 70.87,29.4 ; 70.87,29.09 70.87,26.79 ; U15.G23 v1(66.64,38.94) ; C206.1 v1(17.81,63.86) ; C206.1 15.51,63.86 ; C206.1 16.92,62.84 R171.1 15.97,60.03 15.52,59.58 13.77,59.58 13.1,60.25 R172.1 ; v1(46.64,40.69) 47.15,41.2 48.01,41.2 ; v1(135.2,5.4) 135.23,5.37 136.15,5.37 ; U15.C25 v1(64.64,34.94) ; R10.1 v1(114.8,21.99) ; v1(135.3,7.9) 135.31,7.91 136.15,7.91 ; v1(145.25,33.52) 145.45,33.72 D7.1 ; v1(137.1,10.5) 137.05,10.45 136.15,10.45 ; v1(30.3,13.25) 30.32,13.28 R133.1 ; U15.V20 69.64,50.94 v1(69.47,50.94) ; v1(31.3,13.25) 31.35,13.3 R132.1 ; R138.1 v1(23.7,13.25) ; v1(145.6,46.17) 145.45,46.33 D8.1 ; v1(145.62,27.1) 145.62,28 145.45,28.17 D5.1 ; U15.E19 v1(70.64,36.94) ; U15.C15 v1(74.64,35.94) ; R137.1 v1(24.8,13.25) ; v1(113.68,10.6) R190.1 ; D6.1 145.45,40.05 v1(145.25,39.84) ; R135.1 v1(25.9,13.25) ; U15.L21 v1(68.64,42.94) ; v1(39.8,26.6) 39.95,26.6 40.55,27.2 40.45,27.3 40.15,27.3 40.05,27.2 39.45,27.2 38.38,26.13 37.72,26.13 ; 114.95,17.73 114.36,17.73 v1(114.34,17.75) ; U15.H20 v1(69.64,39.94) ; R134.1 v1(28.1,13.25) ; v1(31.8,16.83) 31.79,16.84 31.79,17.78 ; U15.AA21 v1(68.64,53.94) ; U15.H10 v1(80.64,39.94) ; 68.14,56.52 v1(67.77,56.89) ; D9.1 145.45,51.92 145.29,51.77 v1(145.29,51.27) ; U15.L7 v1(83.64,42.94) ; U15.A11 79.14,32.86 ; U15.AF26 63.66,58.92 v1(63.53,58.92) ; U15.A21 v1(68.64,32.94) ; U15.T6 84.18,48.44 84.64,47.98 85.68,47.98 v1(85.7,48) ; U15.J17 v1(72.64,40.94) ; U15.B18 v1(71.64,33.94) ; v1(64.59,55.87) 64.71,55.87 U15.AC25 ; U15.U23 v1(66.64,49.94) ; U15.D12 v1(78.64,35.94) ; U15.D22 v1(67.64,35.94) ; U15.B8 v1(82.64,33.94) ; U15.F16 v1(73.67,37.97)